# Allegro board Try it by yourself - iMX6Rex module - DIFF Pair activities.brd (continued)
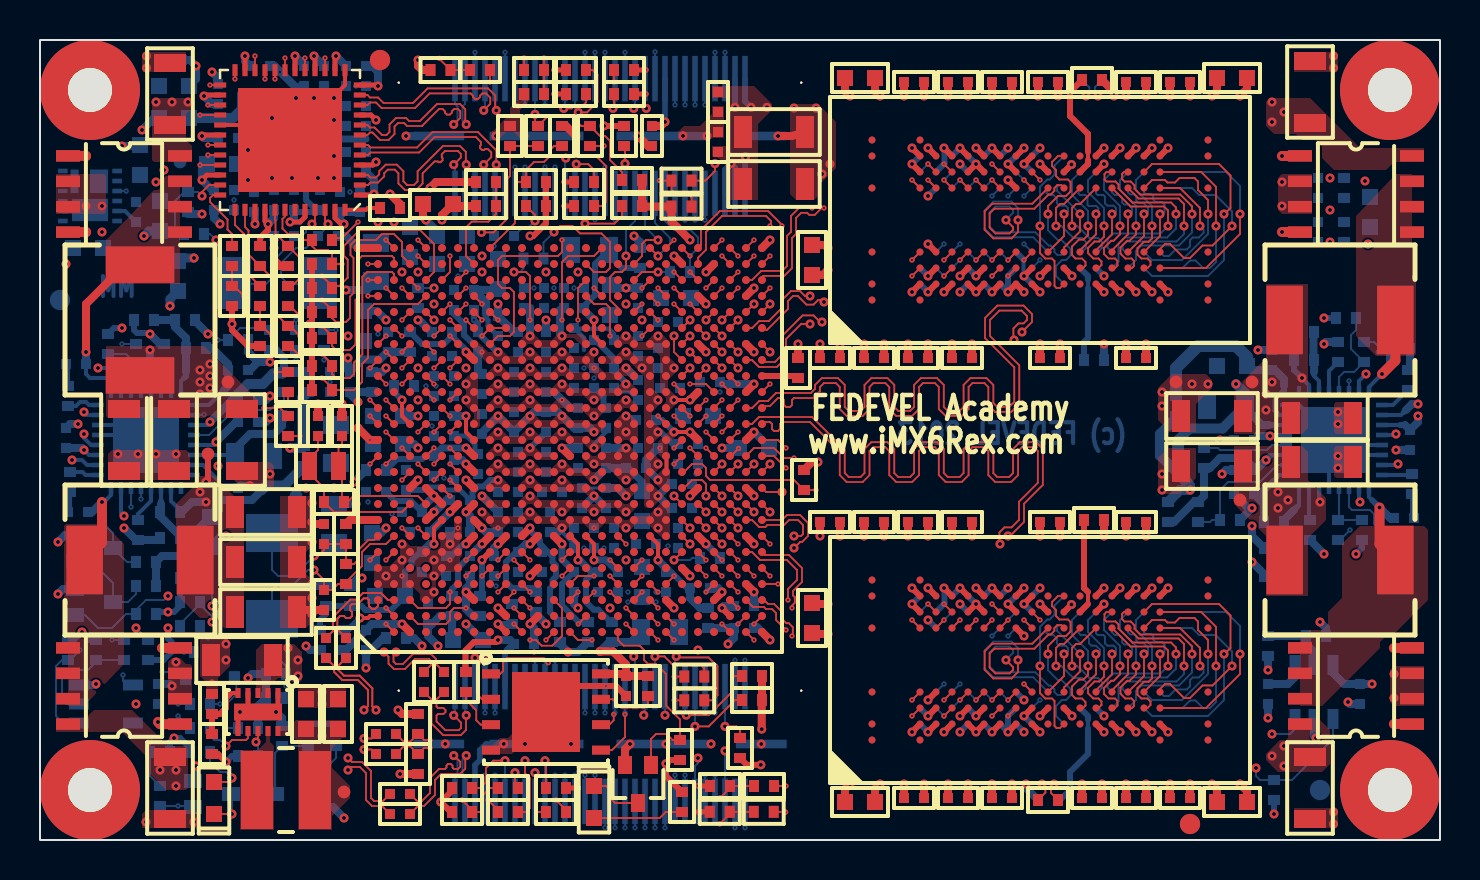
[diagram p0: board, top side]
## Routing (per net, layer and track width the routed paths; a pad name or vN(x,y) marks a point on that pad's centre or on a via; arc(x,y) is an arc through that point) (continued)
HDMI_D2_P: length 32.1
  TOP w0.09: U1.K4 v2(24.5,12.4)
  L2 w0.1: v2(24.5,12.4) v3(24.8,12.1)
  L3 w0.085: v4(24.5,11.8) v3(24.8,12.1)
  L10 w0.085: v5(25.25,36.36) 25.25,36.33 25.45,36.13 25.45,35.56 26.71,34.3 26.82,34.3 27.25,33.87 27.25,33.05 28.03,32.28 28.03,30.17 28.6,29.6 28.6,28 28.1,27.5 28.1,15.76 28.52,15.34 28.52,14.78 28.12,14.38 28.12,13.9 26.6,12.38 25.08,12.38 v4(24.5,11.8)
  L11 w0.1: v5(25.25,36.36) v6(25.25,36.76)
  BOTTOM w0.09: v6(25.25,36.76) J1.42
HDMI_DDC: length 31.7
  TOP w0.093: v2(23.7,11.6) U1.K2 ; v1(22.07,30.38) 22.67,30.38 23.37,31.08 23.37,33.08 23.5,33.2 R26.2 R24.1
  L2 w0.1: v3(23.4,11.3) v2(23.7,11.6)
  L3 w0.08: v3(23.4,11.3) 23.32,11.23 22.47,11.23 21.7,12 21.1,12 20.5,12.6 20.5,14.09 20.9,14.49 20.9,15.4 21.5,16 22.23,16 22.52,16.29 22.52,16.83 v4(22.9,17.2)
  L10 w0.08: v4(22.9,17.2) 22.9,17.47 22.52,17.84 22.52,24.6 23,25.08 23,26.16 22.4,26.76 22.4,26.99 22.57,27.16 22.57,27.64 22.19,28.03 21.94,28.03 21.72,28.24 21.72,29.36 22.07,29.71 v1(22.07,30.38)
HDMI_HPD: length 37
  TOP w0.093: v2(23.7,10.8) U1.K1 ; R21.1 24.75,31.25 v1(24.75,30.95)
  L2 w0.1: v3(23.4,10.5) v2(23.7,10.8)
  L3 w0.08: v4(22.9,16.4) 22.9,15.48 22.52,15.1 22.52,13.7 22.4,13.58 22.4,12.2 22.62,11.98 23.06,11.98 23.22,11.82 23.39,11.82 23.68,11.52 23.68,10.79 v3(23.4,10.5)
  L10 w0.08: v4(22.9,16.4) 22.9,16.67 22.47,17.09 22.47,17.4 22.32,17.55 22.32,24.68 22.8,25.16 22.8,26.08 22.2,26.68 22.2,27.07 22.37,27.24 22.37,27.56 22.16,27.78 21.91,27.78 21.47,28.21 21.47,29.39 21.7,29.61 21.7,31.1 21,31.8 21,32.9 21.49,33.39 22.97,33.39 23.48,33.9 24.3,33.9 24.75,33.45 24.75,32.8 24.5,32.55 24.5,31.85 24.75,31.6 v1(24.75,30.95)
  BOTTOM w0.101: J1.43 v1(24.75,30.95) 24.37,30.58 24.08,30.58 C74.2
HDMI_RESREF: length 1.3
  TOP w0.3: v1(22.9,10.8) U1.J1
  BOTTOM w0.3: v1(22.9,10.8) R30.2
I2C1_SCL: length 18.6
  TOP w0.093: v2(26.1,13.2) U1.N5 ; R47.1 34.71,8.2 34.56,8.06 34.56,7.37 33.44,6.24 v1(32.31,6.24)
  L2 w0.1: v2(26.1,13.2) v3(26.4,13.5)
  L3 w0.08: v1(32.31,6.24) 31.94,5.87 30.03,5.87 29.76,6.14 29.76,7.34 29.2,7.9 28.9,7.9 28.4,8.4 27.69,8.4 26.97,9.11 26.97,9.64 26.52,10.09 26.52,13.38 v3(26.4,13.5)
  BOTTOM w0.093: v1(32.31,6.24) 32.25,6.31 J2.14
I2C1_SDA: length 19.7
  TOP w0.093: v2(26.1,14) U1.N6 ; v1(32.75,5.68) 33.44,5.68 34.76,7 R46.1
  L2 w0.1: v2(26.1,14) v3(26.4,14.3)
  L3 w0.08: v1(32.75,5.68) 32.74,5.67 29.89,5.67 29.56,5.99 29.56,7.25 29.12,7.7 28.8,7.7 28.3,8.2 27.6,8.2 26.77,9.03 26.77,9.56 26.32,10.01 26.32,13.17 26.08,13.41 26.08,13.98 v3(26.4,14.3)
  BOTTOM w0.101: v1(32.75,5.68) J2.12
I2C2_SCL: length 34.9
  TOP w0.093: v1(26.91,36.38) 27.35,36.38 27.87,36.91 27.87,38.26 27.63,38.5 R28.1 ; U1.U5 v2(30.1,14)
  L2 w0.1: v2(30.1,14) v3(30.4,14.3)
  L3 w0.08: v3(30.4,14.3) 30.4,14.57 31.43,15.6 31.7,15.87 v4(31.7,16)
  L10 w0.08: v4(31.7,16) 30.77,16 30.45,16.32 30.45,23.04 30.77,23.36 30.77,23.83 30.1,24.5 30.1,25.47 29.72,25.84 29.72,26.16 29.92,26.36 29.92,27.13 30.07,27.28 30.07,29.57 30.52,30.02 30.52,31.35 29.93,31.94 29.93,33.51 30.5,34.08
  L10 w0.101: v1(26.91,36.38) 26.91,36 27.58,35.33 28.53,35.33 29.08,35.88 30.2,35.88 30.6,35.48 30.6,34.18 30.5,34.08
  BOTTOM w0.101: J1.36 26.75,36.54 v1(26.91,36.38)
I2C2_SDA: length 31.8
  TOP w0.093: v1(26.19,36.58) 26.58,36.58 26.75,36.76 27.17,36.76 27.3,36.88 R29.1 ; U1.T7 v2(29.3,14.8)
  L2 w0.1: v3(29,15.1) v2(29.3,14.8)
  L3 w0.08: v4(30.1,15.9) 30.1,15.5 29.7,15.1 v3(29,15.1)
  L10 w0.08: v1(26.19,36.58) 26.19,36.34 27.53,35 28.62,35 29.2,35.58 30.05,35.58 30.27,35.36 30.27,34.3 29.67,33.7 29.67,31.81 30.22,31.26 30.22,30.09 29.87,29.75 29.87,27.36 29.7,27.19 29.7,26.41 29.51,26.22 29.51,25.7 29.9,25.31 29.9,24.33 30.47,23.76 30.47,23.44 30.15,23.12 30.15,15.95 v4(30.1,15.9)
  BOTTOM w0.093: v1(26.19,36.58) 26.25,36.64 J1.38
I2C3_SCL: length 44.4
  TOP w0.093: R157.2 R31.1 34.5,2.6 v2(34,2.1) ; U1.F21 v2(21.3,26.8)
  L2 w0.1: v2(34,2.1) v3(34.3,1.8) ; v3(21,26.5) v2(21.3,26.8)
  L3 w0.08: v3(21,26.5) v4(21,26.9) ; v3(34.3,1.8) 33.9,1.4 32.72,1.4 31.94,2.18 31.5,2.18 31.05,1.73 v4(31.05,1.46)
  L10 w0.08: v5(30.75,1.02) 31.05,1.32 v4(31.05,1.46) 30.78,1.46 28.92,3.31 28.92,5.2 29.56,5.84 29.56,6.96 29.02,7.5 28.3,7.5 27.4,8.4 27.4,10.1 26.7,10.8 26,10.8 25.62,10.43 24.3,10.43 24.12,10.6 24.12,10.78 23.72,11.17 22.79,11.17 22.49,11.48 22.49,11.99 22.3,12.19 22.3,13.17 22.1,13.38 21.91,13.38 21.52,13.76 21.52,14.28 21.42,14.38 21.12,14.38 20.92,14.58 20.92,19.95 21.67,20.7 21.67,26.03 21,26.7 v4(21,26.9)
  L11 w0.1: v6(30.75,0.62) v5(30.75,1.02)
  BOTTOM w0.093: v6(30.75,0.62) J2.19
I2C3_SDA: length 45.4
  TOP w0.093: v2(18.9,29.2) U1.D24 ; v2(33.99,0.81) 34.49,1.31 R32.1 R156.2
  L2 w0.1: v2(18.9,29.2) v3(19.3,29.2) ; v2(33.99,0.81) v3(34.29,1.11)
  L3 w0.08: v3(34.29,1.11) 34.28,1.12 32.39,1.12 v4(31.75,1.76) ; v3(19.3,29.2) v4(19.6,28.9)
  L10 w0.08: v5(31.25,1.02) 31.75,1.52 v4(31.75,1.76) 31.67,1.83 30.79,1.83 29.28,3.34 29.28,4.48 29.12,4.64 29.12,4.96 29.81,5.64 29.81,7.09 29.15,7.75 28.45,7.75 27.62,8.58 27.62,10.28 26.72,11.17 24.2,11.17 23.77,11.6 23.43,11.6 23.01,12.03 22.74,12.03 22.5,12.27 22.5,13.26 22.18,13.58 21.99,13.58 21.72,13.84 21.72,14.91 21.3,15.33 21.3,15.82 21.72,16.24 21.72,20.33 21.92,20.52 21.92,26.14 21.37,26.69 21.37,27.13 v4(19.6,28.9)
  L11 w0.1: v6(31.25,0.62) v5(31.25,1.02)
  BOTTOM w0.093: v6(31.25,0.62) J2.17
I2C4_SCL: length 154.3
  TOP w0.093: R45.1 27.7,33.51 27.41,33.79 v1(26.81,33.79) ; U1.E15 v4(20.5,21.2) ; v2(37.3,2.7) R157.1
  L2 w0.1: v3(37.3,2.3) v2(37.3,2.7) ; v4(20.5,21.2) v3(20.8,21.5)
  L3 w0.08: v4(20.5,21.2) v3(20.8,21.5) ; v4(13.9,3.8) 14.77,2.93 15.72,2.93 16.2,3.4 17.32,3.4 17.8,2.93 18.23,2.93 18.56,3.26 19.68,3.26 20.12,3.7 21.98,3.7 22.69,2.99 24.93,2.99 25.31,3.38 26.1,3.38 26.37,3.1 29.28,3.1 29.58,2.8 33.78,2.8 34.04,2.54 34.5,2.54 35.34,1.7 36.4,1.7 37,2.3 v3(37.3,2.3) 37.9,1.7 60.73,1.7 62.72,3.69 62.72,6.82 63.8,7.9 v4(63.8,9.3) ; v4(64,34) 62.9,35.1 52.4,35.1 51.33,36.17 51.33,37.3 51.06,37.57 39.6,37.57 39,36.98 38.54,36.98 38.42,36.86 38.42,36.51 37.86,35.95 36.87,35.95 36.5,35.58 33.19,35.58 32.94,35.33 32.56,35.33 32.31,35.58 31.99,35.58 31.77,35.36 31.77,35.36 31.62,35.21 30.8,35.21 29.79,34.2 27.74,34.2 27.34,33.79 v1(26.81,33.79)
  L10 w0.08: v4(13.9,3.8) 13.9,4.63 13.72,4.81 13.72,7.57 14.1,7.94 14.1,8.5 15.62,10.03 15.62,11.26 15.72,11.36 15.72,14.78 15.52,14.98 15.52,16.16 15.74,16.38 15.97,16.38 16.3,16.7 16.3,18.4 16.07,18.63 16.07,19.51 16.67,20.11 16.67,20.71 17.07,21.1 18.47,21.1 18.74,20.83 20.12,20.83 v4(20.5,21.2) ; v4(63.8,9.3) 64.7,10.2 64.7,14.4 64.37,14.73 64.37,17.3 64.1,17.58 64.1,23.6 64.87,24.38 64.87,33.36 64.23,34 v4(64,34)
  BOTTOM w0.093: v1(26.81,33.79) 26.75,33.73 J1.35
I2C4_SDA: length 158.7
  TOP w0.093: v1(26.29,34.09) 26.36,34.17 27.83,34.17 28.3,33.7 28.3,31.9 28.1,31.7 R44.1 ; R156.1 37.27,1.41 v2(37.28,1.4) ; U1.D16 v2(19.7,22)
  L2 w0.1: v3(19.7,21.6) v2(19.7,22) ; v3(36.88,1.4) v2(37.28,1.4)
  L3 w0.08: v1(26.29,34.09) 26.58,34.09 26.66,34.17 27.38,34.17 27.63,34.42 29.65,34.42 30.69,35.46 31.59,35.46 32.03,35.9 32.27,35.9 32.53,35.64 32.97,35.64 33.23,35.9 36.4,35.9 36.7,36.2 37.83,36.2 38.22,36.59 38.22,36.94 38.46,37.18 38.9,37.18 39.57,37.85 51.16,37.85 51.73,37.28 51.73,36.25 52.48,35.5 63.3,35.5 v4(64,34.8) ; v4(13.5,4.5) 13.5,3.67 14.44,2.73 15.91,2.73 16.33,3.15 17.19,3.15 17.62,2.73 18.41,2.73 18.69,3.01 19.81,3.01 20.25,3.45 21.83,3.45 22.49,2.79 25.01,2.79 25.39,3.17 25.9,3.17 26.27,2.8 29.2,2.8 29.5,2.5 32.3,2.5 32.4,2.6 33.7,2.6 34,2.3 34.3,2.3 35.2,1.4 v3(36.88,1.4) 60.91,1.4 63.1,3.59 63.1,6.7 64.3,7.9 v4(64.3,8.5) ; v4(19.7,21.2) v3(19.7,21.6)
  L10 w0.08: v4(64,34.8) 64,34.73 65.27,33.46 65.27,24.29 64.5,23.52 64.5,17.66 64.77,17.38 64.77,14.81 65.1,14.48 65.1,9.3 v4(64.3,8.5) ; v4(13.5,4.5) 13.52,4.5 13.52,7.65 13.77,7.9 13.77,8.48 15.4,10.1 15.4,11.4 15.47,11.48 15.47,14.74 15.32,14.89 15.32,16.86 16.07,17.61 16.07,18.34 15.88,18.54 15.88,19.76 16.47,20.36 16.47,20.79 16.99,21.3 18.3,21.3 18.57,21.58 19.32,21.58 v4(19.7,21.2)
  BOTTOM w0.093: J1.37 26.25,34.06 v1(26.29,34.09)
JTAG_MOD: length 2.4
  TOP w0.3: v1(22.1,14) U1.H6
  BOTTOM w0.3: R61.2 22.1,12.3 v1(22.1,14)
JTAG_NTRST: length 16.2
  TOP w0.093: v2(21.3,11.6) 20.7,11.6 20.5,11.4 20.5,11 20.3,10.8 18.9,10.8 U1.C2 ; R62.1 25.3,3.92 v1(25.25,3.97)
  L2 w0.1: v2(21.3,11.6) v3(21.6,11.3)
  L3 w0.08: v3(21.6,11.3) v4(22.1,10.8)
  L10 w0.08: v4(22.1,10.8) 22.1,10.18 22.72,9.55 22.72,8.77 25.24,6.26 25.24,3.98 v1(25.25,3.97)
  BOTTOM w0.093: J2.41 v1(25.25,3.97)
JTAG_TCK: length 3.9
  TOP w0.093: v1(24.75,3.37) 24.75,1.55 24.9,1.4 R92.2
  BOTTOM w0.093: J2.43 v1(24.75,3.37)
JTAG_TCK_R: length 20.7
  TOP w0.093: v2(25.8,2) 26.3,1.5 R92.1 ; v2(22.1,13.2) U1.H5
  L2 w0.1: v2(25.8,2) v3(25.8,2.4) ; v3(21.8,13.5) v2(22.1,13.2)
  L3 w0.08: v3(21.8,13.5) 21.9,13.4 v4(21.9,13) ; v3(25.8,2.4) 25.55,2.65 v4(25.55,2.8)
  L10 w0.08: v4(25.55,2.8) 25.32,3.03 25.32,3.27 25.33,3.27 25.66,3.6 25.66,4.09 25.5,4.25 25.5,4.5 25.65,4.65 26,4.65 26.15,4.8 26.15,5.05 26,5.2 25.6,5.2 25.49,5.31 25.49,5.6 25.59,5.7 25.59,6.08 25.44,6.24 25.44,6.49 25.59,6.64 25.79,6.64 25.95,6.8 25.95,7.05 25.8,7.2 24.85,7.2 23.85,8.2 23.65,8.2 23.5,8.35 23.5,8.6 23.65,8.75 24.1,8.75 24.25,8.9 24.25,9.15 24.1,9.3 23.3,9.3 23.15,9.45 23.15,9.7 23.3,9.85 23.93,9.85 24.07,10 24.07,10.25 23.93,10.4 22.77,10.4 22.47,10.69 22.47,11.14 22,11.61 22,12.9 v4(21.9,13)
JTAG_TDI: length 2.3
  TOP w0.093: v1(23.75,3.37) 23.75,2.75 R90.2
  BOTTOM w0.093: J2.47 v1(23.75,3.37)
JTAG_TDI_R: length 20.9
  TOP w0.093: v2(21.1,2) 21.6,1.5 R63.1 22,1.4 22.1,1.5 22.1,2.2 22.5,2.6 R90.1 ; v2(21.3,13.2) U1.G5
  L2 w0.1: v3(21,13.5) v2(21.3,13.2) ; v2(21.1,2) v3(21.1,2.4)
  L3 w0.08: v3(21.1,2.4) v4(21.1,2.8) ; v3(21,13.5) 21,13.1 v4(21.1,13)
  L10 w0.08: v4(21.1,2.8) 21.42,2.8 21.79,3.17 23.32,3.17 23.51,2.99 24.13,2.99 24.31,3.18 24.31,3.5 24.62,3.81 24.62,4.37 24.84,4.58 24.84,5.26 24.68,5.42 24.68,6.15 22.32,8.5 22.32,9.39 21.98,9.73 21.84,9.73 20.92,10.64 20.92,11.29 21.17,11.54 21.17,11.99 20.92,12.24 20.92,12.83 v4(21.1,13)
JTAG_TDO: length 5.2
  TOP w0.093: R161.2 24.3,1.4 24.5,1.6 24.5,3.09 24.25,3.34 v1(24.25,3.97)
  BOTTOM w0.093: J2.45 v1(24.25,3.97)
JTAG_TDO_R: length 19.4
  TOP w0.093: R161.1 22.9,1.5 v2(22.4,2) ; v2(21.3,14) U1.G6
  L2 w0.1: v2(22.4,2) v3(22.4,2.4) ; v2(21.3,14) v3(21.6,14.3)
  L3 w0.08: v3(22.4,2.4) 22,2.8 v4(21.95,2.8) ; v3(21.6,14.3) 21.4,14.3 v4(21.1,14)
  L10 w0.08: v4(21.1,14) 21.1,13.76 21.52,13.33 21.52,12.71 21.67,12.56 21.67,10.32 22.52,9.47 22.52,8.63 24.95,6.21 24.95,5.43 25.04,5.35 25.04,4.5 24.87,4.33 24.87,3.77 25.12,3.52 25.12,3.21 24.71,2.79 21.95,2.79 v4(21.95,2.8)
JTAG_TMS: length 18.8
  TOP w0.093: R64.1 22,2.6 22.3,2.9 22.3,3.6 22.67,3.97 v1(23.25,3.97) ; U1.C3 18.9,11.6 20.3,11.6 20.5,11.8 v2(20.5,12.4)
  L2 w0.1: v3(20.5,12) v2(20.5,12.4)
  L3 w0.08: v3(20.5,12) v4(20.8,11.7)
  L10 w0.08: v1(23.25,3.97) 23.71,4.43 24.41,4.43 24.64,4.66 24.64,5.06 24.39,5.31 24.39,6.1 22.12,8.37 22.12,9.26 21.86,9.53 21.66,9.53 20.72,10.46 20.72,11.63 v4(20.8,11.7)
  BOTTOM w0.093: J2.49 v1(23.25,3.97)
LED1: length 10.5
  TOP w0.093: U8.17 v2(13.25,39.1) ; v2(19.97,39.08) 19.97,39.05 R94.1 R82.1
  L2 w0.1: v3(13.25,38.7) v2(13.25,39.1) ; v3(19.97,38.68) v2(19.97,39.08)
  L3 w0.08: v3(13.25,38.7) 13.53,38.42 14.37,38.42 14.5,38.55 17.15,38.55 17.4,38.8 18.29,38.8 18.66,38.43 19.14,38.43 19.41,38.7 19.97,38.7 v3(19.97,38.68)
LED2: length 14.2
  TOP w0.093: U8.15 v2(14.25,39.1) ; R102.2 R81.1 v2(25.2,39.1)
  L2 w0.1: v3(24.8,39.1) v2(25.2,39.1) ; v3(14.25,38.7) v2(14.25,39.1)
  L3 w0.08: v3(24.8,39.1) 24.68,38.99 19.42,38.99 19.06,38.63 18.74,38.63 18.37,39 17.3,39 17.1,38.8 14.35,38.8 v3(14.25,38.7)
LGATE1_2V5: length 16.2
  TOP w0.5: Q6.4 62.99,30.4 v1(62.1,30.4)
  L3 w0.5: v1(68.9,21.8) 68.7,22
  L3 w0.6: 64.3,23.2 65.2,22.3 68.4,22.3 68.7,22 ; 62.1,30.1 v1(62.1,30.4)
  L3 w0.8: 64.3,23.2 62.1,25.4 62.1,30.1
  BOTTOM w0.2: U13.18 68.05,21.25 68.2,21.4
  BOTTOM w0.3: 68.3,21.5 68.2,21.4
  BOTTOM w0.4: 68.3,21.5 68.6,21.8 v1(68.9,21.8)
LGATE1_3V3: length 18.2
  TOP w0.5: Q3.4 6.99,9.6 v1(6.1,9.6)
  L3 w0.6: v1(6.1,9.6) 5.8,9.3 ; 2,18.6 v1(1.6,19)
  L3 w0.8: 2,18.6 2.6,18 4.4,18 5.4,17 5.4,15.5 3.4,13.5 3.4,9.9 4.3,9 5.5,9 5.8,9.3
  BOTTOM w0.2: U11.18 2.35,18.75 2.1,19 v1(1.6,19)
LGATE2_1V5: length 11
  TOP w0.5: Q7.4 68.59,9.6 v1(67.7,9.6)
  L3 w0.5: 67.7,18.4 67.7,18.6 v1(67.9,18.8)
  L3 w0.6: 67.7,9.9 v1(67.7,9.6)
  L3 w0.8: 67.7,18.4 67.7,9.9
  BOTTOM w0.2: U13.23 67.85,18.75 v1(67.9,18.8)
LGATE2_1V375: length 11.2
  TOP w0.5: Q4.4 2.29,30.4 v1(2.3,30.4)
  L3 w0.6: 2.3,30 v1(2.3,30.4) ; v1(2.2,21.4) 1.9,21.7
  L3 w0.8: 2.3,30 2.3,28.7 1.57,27.98 1.57,22.03 1.9,21.7
  BOTTOM w0.2: v1(2.2,21.4) 2.35,21.25 U11.23
LVDS0_CABC: length 46.6
  TOP w0.093: U1.A17 v2(17.3,22.8) ; v1(34.25,5.68) 34.82,5.68 35,5.5 R33.1
  L2 w0.1: v3(17,22.5) v2(17.3,22.8)
  L3 w0.08: v4(12.9,7.1) 12.9,7.3 13.65,8.05 14.63,8.05 15.52,7.17 15.52,6.41 15.8,6.13 16.87,6.13 17.55,5.45 17.89,5.45 18.17,5.73 18.92,5.73 19.2,6 20.2,6 20.4,5.8 21.08,5.8 21.18,5.7 22.22,5.7 22.49,5.43 25.6,5.43 25.85,5.17 26.1,5.17 26.34,5.41 26.83,5.41 27.12,5.12 28.95,5.12 29.21,5.38 29.83,5.38 30.16,5.05 30.69,5.05 31.01,5.38 31.65,5.38 31.9,5.12 33.28,5.12 33.84,5.68 v1(34.25,5.68) ; v3(17,22.5) v4(17.3,22.2)
  L10 w0.08: v4(17.3,22.2) 17.3,22.18 16.22,21.1 15.87,21.1 15.3,20.53 15.3,18.31 15.12,18.13 15.12,17.49 14.7,17.07 14.7,10.4 13.27,8.98 13.27,8.04 12.9,7.67 v4(12.9,7.1)
  BOTTOM w0.093: v1(34.25,5.68) J2.6
LVDS0_CLK_N: length 17.5
  TOP w0.09: U1.V4 v2(30.9,12.4)
  L2 w0.1: v3(30.6,12.7) v2(30.9,12.4)
  L3 w0.085: v4(30.3,12.4) v3(30.6,12.7)
  L10 w0.085: v5(32.05,2.84) 32,2.89 30.71,2.89 30,3.6 30,4.36 30.6,4.96 30.6,8.1 30.17,8.53 28.87,8.53 28.37,9.03 28.37,9.76 28.8,10.2 29.4,10.2 29.62,10.42 29.62,11.72 v4(30.3,12.4)
  L11 w0.1: v5(32.05,2.84) 32.05,3.04 v6(32.25,3.24)
  BOTTOM w0.09: J2.13 v6(32.25,3.24)
LVDS0_CLK_P: length 17.5
  TOP w0.09: U1.V3 v2(30.9,11.6)
  L2 w0.1: v3(30.6,11.9) v2(30.9,11.6)
  L3 w0.085: v3(30.6,11.9) v4(30.9,12.2)
  L10 w0.085: v4(30.9,12.2) 30.75,12.2 30.49,11.94 30.23,11.94 29.9,11.6 29.9,10.3 29.52,9.92 28.92,9.92 28.65,9.65 28.65,9.15 28.98,8.81 30.28,8.81 30.88,8.22 30.88,4.84 30.28,4.24 30.28,3.72 30.82,3.17 31.85,3.17 31.95,3.27 v5(31.95,3.64)
  L11 w0.1: v5(31.95,3.64) 31.95,3.44 v6(31.75,3.24)
  BOTTOM w0.09: J2.15 v6(31.75,3.24)
LVDS0_PWM: length 52.6
  TOP w0.093: v2(20.5,23.6) U1.F18
  L2 w0.1: v2(20.5,23.6) 20.4,23.6 v3(20.1,23.3)
  L3 w0.08: v4(13.1,6.3) 13.27,6.48 13.27,7.17 13.9,7.8 14.55,7.8 15.32,7.03 15.32,6.23 15.62,5.93 16.74,5.93 17.47,5.2 17.97,5.2 18.3,5.53 19.01,5.53 19.28,5.8 20.12,5.8 20.32,5.6 21,5.6 21.2,5.4 22.14,5.4 22.36,5.18 25.47,5.18 25.75,4.9 26.11,4.9 26.39,5.18 26.72,5.18 27.04,4.87 29.04,4.87 29.34,5.17 29.7,5.17 30.07,4.8 30.77,4.8 31.14,5.17 31.5,5.17 31.81,4.87 32.94,4.87 33.38,4.43 34.22,4.43 v1(34.25,4.46) ; v3(20.1,23.3) 20.1,23.1 v4(20.4,22.8)
  L10 w0.08: v4(13.1,6.3) 13.27,6.48 13.27,7.76 13.47,7.96 13.47,8.89 14.9,10.32 14.9,16.99 15.32,17.41 15.32,18.05 15.5,18.23 15.5,20 15.7,20.2 16.03,20.2 16.27,20.44 16.27,20.87 17,21.6 18.23,21.6 18.52,21.89 18.52,22.16 18.74,22.38 19.1,22.38 19.85,21.63 20.66,21.63 20.9,21.87 20.9,22.3 v4(20.4,22.8)
  BOTTOM w0.093: J2.5 v1(34.25,4.46)
LVDS0_TX0_N: length 17.4
  TOP w0.09: v2(29.3,11.6) U1.U2
  L2 w0.1: v2(29.3,11.6) v3(29,11.3)
  L3 w0.085: v4(28.6,10.9) v3(29,11.3)
  L10 w0.085: v4(28.6,10.9) 28.78,11.08 28.78,11.36 28.87,11.45 28.87,11.75 28.52,12.1 28.52,13.04 29.12,13.63 29.45,13.63 30.49,14.67 31.94,14.67 33.28,13.34 33.28,13.02 33.73,12.57 33.73,11.38 35.05,10.07 35.05,8.91 34.85,8.71 v5(34.85,8.58)
  L11 w0.1: v5(34.85,8.58) v6(35.25,8.98)
  BOTTOM w0.09: J2.2 v6(35.25,8.98)
LVDS0_TX0_P: length 17.4
  TOP w0.09: v2(29.3,10.8) U1.U1
  L2 w0.1: v2(29.3,10.8) v3(29.6,11.1)
  L3 w0.085: v4(29.2,10.7) v3(29.6,11.1)
  L10 w0.085: v5(34.35,8.58) 34.35,8.61 34.77,9.03 34.77,9.95 33.45,11.27 33.45,12.45 33,12.9 33,13.22 32.57,13.65 32.37,13.65 32.21,13.49 32.07,13.49 31.96,13.6 31.96,13.74 32.12,13.9 32.12,14.1 31.83,14.39 30.61,14.39 29.57,13.35 29.23,13.35 28.8,12.92 28.8,12.22 29.15,11.87 29.15,11.33 29.06,11.25 29.06,10.84 v4(29.2,10.7)
  L11 w0.1: v5(34.35,8.58) v6(34.75,8.98)
  BOTTOM w0.09: J2.4 v6(34.75,8.98)
LVDS0_TX1_N: length 17.4
  TOP w0.09: U1.U4 v2(30.1,13.2)
  L2 w0.1: v3(29.8,12.9) v2(30.1,13.2)
  L3 w0.085: v3(29.8,12.9) U1.U4 29.4,12.8 v4(29.3,12.9)
  L10 w0.085: v5(33.75,6.76) 34.04,6.76 34.28,6.52 34.28,6.25 34.68,5.85 35.3,5.85 35.7,6.25 35.7,7.5 35.16,8.04 34.24,8.04 33.9,8.38 33.9,9.02 33.55,9.37 33.55,10.45 32.93,11.07 32.93,11.62 31.37,13.18 29.96,13.18 29.69,12.9 29.3,12.9 v4(29.3,12.9)
  L11 w0.1: v6(33.75,6.36) v5(33.75,6.76)
  BOTTOM w0.09: v6(33.75,6.36) J2.8
LVDS0_TX1_P: length 17.4
  TOP w0.09: U1.U3 v2(30.1,12.4)
  L2 w0.1: v3(29.8,12.1) v2(30.1,12.4)
  L3 w0.085: v4(29.3,12.3) 29.6,12.3 v3(29.8,12.1)
  L10 w0.085: v4(29.3,12.3) 29.35,12.3 29.68,12.62 29.8,12.62 30.08,12.9 31.25,12.9 32.65,11.5 32.65,10.95 33.27,10.34 33.27,9.25 33.62,8.9 33.62,8.26 34.13,7.76 35.05,7.76 35.42,7.38 35.42,6.37 35.18,6.13 34.8,6.13 34.56,6.37 34.56,6.64 34.16,7.04 34,7.04 33.9,7.13 33.43,7.13 33.25,6.95 v5(33.25,6.76)
  L11 w0.1: v6(33.25,6.36) v5(33.25,6.76)
  BOTTOM w0.09: v6(33.25,6.36) J2.10
LVDS0_TX2_N: length 17.4
  TOP w0.09: U1.V2 v2(30.9,10.8)
  L2 w0.1: v3(30.6,11.1) v2(30.9,10.8)
  L3 w0.085: v4(30.3,10.8) v3(30.6,11.1)
  L10 w0.085: v5(35.25,1.02) 35.8,1.57 35.8,2.1 35.43,2.47 33.13,2.47 32.81,2.78 32.81,3.53 32.51,3.84 32.51,4.04 31.95,4.6 31.95,4.8 32.3,5.15 32.3,5.72 31.94,6.07 31.94,8.35 31.4,8.9 31.4,9.76 31.28,9.88 31.28,10.42 30.89,10.8 v4(30.3,10.8)
  L11 w0.1: v6(35.25,0.62) v5(35.25,1.02)
  BOTTOM w0.09: v6(35.25,0.62) J2.1
LVDS0_TX2_P: length 17.4
  TOP w0.09: U1.V1 v2(30.9,10)
  L2 w0.1: v3(30.6,10.3) v2(30.9,10)
  L3 w0.085: v4(30.3,10) v3(30.6,10.3)
  L10 w0.085: v5(34.75,1.02) 34.75,1.04 35.1,1.39 35.23,1.39 35.52,1.68 35.52,1.98 35.32,2.19 33.01,2.19 32.53,2.67 32.53,3.42 32.23,3.72 32.23,3.92 31.67,4.48 31.67,4.92 32.02,5.27 32.02,5.6 31.66,5.96 31.66,8.24 31.12,8.78 31.12,9.64 31,9.76 31,10.3 30.78,10.52 30.67,10.52 30.3,10.15 v4(30.3,10)
  L11 w0.1: v6(34.75,0.62) v5(34.75,1.02)
  BOTTOM w0.09: v6(34.75,0.62) J2.3
LVDS0_TX3_N: length 17.4
  TOP w0.09: U1.W2 v4(31.7,10.8)
  L2 w0.1: v3(31.4,11.1) v4(31.7,10.8)
  L3 w0.085: v3(31.4,11.1) v4(31.7,10.8)
  L10 w0.085: v4(31.7,10.8) 31.88,10.62 32.18,10.62 32.53,10.26 32.53,9.17 32.97,8.73 32.97,6.44 34.1,5.31 34.48,5.31 34.9,4.9 35.45,4.9 35.91,4.43 36.57,4.43 36.98,4.02 36.98,3.48 36.52,3.02 35.68,3.02 35.06,3.64 v5(33.75,3.64)
  L11 w0.1: v6(33.75,3.24) v5(33.75,3.64)
  BOTTOM w0.09: J2.7 v6(33.75,3.24)
LVDS0_TX3_P: length 17.4
  TOP w0.09: U1.W1 v4(31.7,10)
  L2 w0.1: v3(31.4,10.3) v4(31.7,10)
  L3 w0.085: v3(31.4,10.3) v4(31.7,10)
  L10 w0.085: v4(31.7,10) 31.7,10.24 31.8,10.34 32.06,10.34 32.25,10.15 32.25,9.05 32.69,8.62 32.69,6.33 33.98,5.03 34.37,5.03 34.78,4.62 35.33,4.62 35.8,4.15 36.45,4.15 36.7,3.9 36.7,3.6 36.4,3.3 35.8,3.3 35.17,3.92 34,3.92 33.9,4.02 33.6,4.02 33.25,3.67 v5(33.25,3.64)
  L11 w0.1: v6(33.25,3.24) v5(33.25,3.64)
  BOTTOM w0.09: J2.9 v6(33.25,3.24)
NETC88_1: length 2.1
  BOTTOM w0.4: C88.1 62.4,7.8 62.75,8.15 U6.4
NETC211_2: length 1
  BOTTOM w0.4: C211.2 1.4,17.3 R122.1
NETC212_1: length 1.1
  BOTTOM w0.4: C212.1 1.3,22.8 R121.2
NETC230_2: length 1.1
  BOTTOM w0.4: C230.2 68.5,23.6 R145.1
NETC231_1: length 1.2
  BOTTOM w0.4: R146.2 68.7,17.2 C231.1
NETD2_1: length 2.1
  TOP w0.093: D2.1 v1(9.6,1.3)
  BOTTOM w0.093: v1(9.6,1.3) 9.6,2.15 9.45,2.3 Q1.3
NETD2_2: length 2.9
  TOP w0.093: D2.2 9.4,2.9 v1(9.6,3.1)
  BOTTOM w0.093: R113.1 8.5,3.9 9,3.4 9.3,3.4 v1(9.6,3.1)
NETD3_1: length 2.8
  TOP w0.093: Q2.3 28.75,1.85 28.5,2.1 28.5,2.5 28.3,2.7 D3.1
NETD3_2: length 4.5
  TOP w0.093: D3.2 30.98,1.1 31.28,1.4 R114.1
NETQ5_1: length 5
  BOTTOM w0.093: Q5.1 2.55,13.95 3.65,12.85 Q8.3 4.4,11.9 4.8,12.3 R131.1
NETR106_1: length 1.4
  TOP w0.093: v1(10.8,4.9) 10.9,5 U12.8
  BOTTOM w0.093: 10.9,4.1 R106.1 10.9,4.8 v1(10.8,4.9)
NETR109_2: length 3
  TOP w0.093: U10.7 28.64,7.04 29.06,6.62 30.22,6.62 30.4,6.8 R109.2
NETR110_1: length 2.5
  TOP w0.093: R110.1 21.3,7 21.81,6.49 21.81,5.99 22.04,5.77 U10.3
NETR121_1: length 1.6
  BOTTOM w0.2: U11.24 2.45,21.75 2.3,21.9 2,21.9 1.8,21.7 R121.1
NETR122_2: length 1.5
  BOTTOM w0.2: R122.2 2.12,18.4 2.27,18.25 U11.17
NETR124_1: length 1.5
  BOTTOM w0.2: U11.31 6.55,23.45 R124.1
NETR125_2: length 1.9
  BOTTOM w0.2: R125.2 4.9,16.3 5.55,16.95 U11.12
NETR128_1: length 7.5
  L10 w0.08: v5(8.5,21.58) 8.5,21.9 8.9,22.3 v5(8.9,24.6)
  L11 w0.1: v6(8.2,21.28) v5(8.5,21.58) ; v5(8.9,24.6) v6(8.9,25)
  BOTTOM w0.093: 8.2,21.25 8.25,21.25 ; 8.2,21.25 v6(8.2,21.28) ; 8.2,21.25 U11.2 ; v6(8.9,25) R133.2 10,25.6 10.8,25.6 10.9,25.5 R128.1
NETR145_2: length 1.6
  BOTTOM w0.2: U13.17 67.65,21.75 R145.2
NETR146_1: length 1.5
  BOTTOM w0.2: U13.24 68.55,18.25 R146.1
NETR148_1: length 1.6
  BOTTOM w0.2: R148.1 63.45,16.05 U13.31
NETR149_2: length 1.7
  BOTTOM w0.2: R149.2 64.45,23.45 U13.12
NETR152_1: length 6.5
  BOTTOM w0.093: U13.2 61.85,18.75 61,17.9 59.4,17.9 59,17.5 R155.2 58.6,16 58.5,15.9 R152.1
ON_5V_LDO: length 5.6
  BOTTOM w0.093: R127.1 12.2,22 12,21.8 11.8,21.8 11.5,21.5 9.7,21.5 8.45,20.25 U11.4
ON_5V_LDO_2: length 4.2
  BOTTOM w0.093: U13.4 61.6,19.75 61.35,19.5 59,19.5 58.9,19.6 R151.1
ON_OFF: length 84.9
  TOP w0.093: U1.D12 v2(19.7,19.6)
  L2 w0.1: v2(19.7,19.6) v3(20,19.9)
  L3 w0.08: v4(34.25,37.94) 34.09,38.1 30.7,38.1 30.58,38.22 30.58,38.22 30.42,38.38 29.58,38.38 28.55,37.36 25.84,37.36 25.58,37.1 24.35,37.1 23.85,36.6 23.5,36.6 23,36.11 22.03,36.11 21.78,36.36 19.96,36.36 19.6,36 17.93,36 17.76,35.83 17.44,35.83 17.17,36.09 17.17,36.23 17.02,36.38 16.42,36.38 15.7,37.1 v4(15.5,37.1) ; v3(20,19.9) 19.72,20.18 18.66,20.18 18.29,19.8 15.93,19.8 15.63,19.5 13.15,19.5 12.33,18.68 11.34,18.68 11,18.33 11,17.63 10.7,17.33 9.26,17.33 8,16.07 7.7,16.07 5.5,13.87 5.5,11.3 v1(4.8,10.6)
  L10 w0.08: v4(34.25,37.94) v5(34.25,38.98) ; v1(4.8,10.6) 4.8,11.2 4.4,11.6 4.4,12.5 3.82,13.08 3.82,18.69 4.27,19.14 4.27,19.55 4,19.83 4,21.7 4.75,22.45 4.75,23.47 4.38,23.84 4.38,24.3 3,25.68 3,29.4 3.72,30.13 3.72,31.33 4.6,32.2 4.6,33.37 7.33,36.1 7.63,36.1 8.83,37.3 9.08,37.3 9.76,37.98 14.62,37.98 v4(15.5,37.1)
  L11 w0.1: v5(34.25,38.98) v6(34.25,39.38)
  BOTTOM w0.093: J1.6 v6(34.25,39.38) ; v1(4.8,10.6) R48.1
PCIE_C_TX_N: length 4.9
  TOP w0.101: U1.A3 16.9,11.7 16.75,11.55 16.6,11.55 16.45,11.7 16.45,12 16.36,12.09 16.19,12.09 15.9,11.8 15.6,11.8 15.5,11.7 15.5,11.5 15.5,11.5 15.6,11.4 15.6,11.2 15.5,11.1 15.3,11.1 15.2,11.2 15,11.2 14.86,11.06 14.86,10.54 C63.1
PCIE_C_TX_P: length 4.9
  TOP w0.101: U1.B3 17.4,12 17.05,12.35 16.15,12.35 15.81,12.02 15.51,12.02 14.65,11.15 14.65,10.45 C65.1
PCIE_REXT: length 2
  TOP w0.2: v1(16,11.1) 16.4,11.1 16.5,11.2 U1.A2
  BOTTOM w0.3: v1(16,11.1) 15.4,10.5 R15.2
PCIE_RX_N: length 14.1
  TOP w0.101: v2(17.3,10.8) U1.B1
  L2 w0.1: v2(17.3,10.8) v3(17.6,10.5)
  L3 w0.085: v3(17.6,10.5) 17.1,10.5 16.7,10.9 16.7,11.78 17.07,12.15 17.83,12.15 18.58,11.4 v4(19.2,11.4)
  L10 w0.085: v5(22.75,6.76) 22.61,6.9 22.61,7.07 20.69,8.99 20.69,9.72 20.1,10.3 20.1,11.08 19.78,11.4 v4(19.2,11.4)
  L11 w0.1: v6(22.75,6.36) v5(22.75,6.76)
  BOTTOM w0.101: v6(22.75,6.36) J2.52
PCIE_RX_P: length 14.1
  TOP w0.101: v2(17.3,11.6) U1.B2
  L2 w0.1: v2(17.3,11.6) v3(17.6,11.3)
  L3 w0.085: v3(17.6,11.3) 17.6,10.91 17.39,10.7 17.18,10.7 16.9,10.98 16.9,11.7 17.15,11.95 17.75,11.95 18.5,11.2 18.85,11.2 19.2,10.85 v4(19.2,10.8)
  L10 w0.085: v4(19.2,10.8) 19.2,10.86 19.54,11.2 19.7,11.2 19.9,11 19.9,10.85 19.75,10.7 19.75,10.6 19.9,10.45 19.9,10.22 20.49,9.63 20.49,8.91 22.41,6.98 22.41,6.92 v5(22.25,6.76)
  L11 w0.1: v6(22.25,6.36) v5(22.25,6.76)
  BOTTOM w0.101: v6(22.25,6.36) J2.54
PCIE_TX_N: length 14.2
  TOP w0.101: v1(16.8,6.5) 16.61,6.69 16.61,7.59 15.98,8.22 15.2,8.22 14.91,8.5 14.91,8.72 C63.2
  L10 w0.085: v5(22.75,3.64) 22.7,3.64 22.6,3.74 22.6,4.07 22.38,4.29 21.98,4.29 21.44,3.74 18.56,3.74 16.64,5.66 16.64,6.24 16.8,6.4 v1(16.8,6.5)
  L11 w0.1: v6(22.75,3.24) v5(22.75,3.64)
  BOTTOM w0.101: J2.51 v6(22.75,3.24)
PCIE_TX_P: length 14.2
  TOP w0.101: v1(16.2,6.5) 16.4,6.7 16.4,7.5 15.9,8 15.11,8 14.7,8.41 14.7,8.7 C65.2
  L10 w0.085: v5(22.25,3.64) 22.4,3.79 22.4,3.99 22.3,4.09 22.07,4.09 21.52,3.54 18.47,3.54 16.44,5.58 16.44,6.26 v1(16.2,6.5)
  L11 w0.1: v6(22.25,3.24) v5(22.25,3.64)
  BOTTOM w0.101: J2.53 v6(22.25,3.24)
PCIE_WAKE: length 24.3
  TOP w0.093: U1.P3 v2(27.7,12.4)
  L2 w0.1: v2(27.7,12.4) v3(28,12.1)
  L3 w0.08: v4(27.05,4.37) 27.11,4.43 31.46,4.43 31.59,4.55 32.98,4.55 33.53,4 34.43,4 34.62,4.2 34.62,5.84 32.44,8.02 32.44,8.25 32.2,8.49 31.52,8.49 31.21,8.81 30.59,8.81 30.37,9.02 30.37,9.39 29.9,9.87 29.9,11.4 29.6,11.7 29,11.7 28.6,12.1 v3(28,12.1)